# Altium PCB SysUprTestUUDown.PcbDoc (part 1 of 3) (continued)
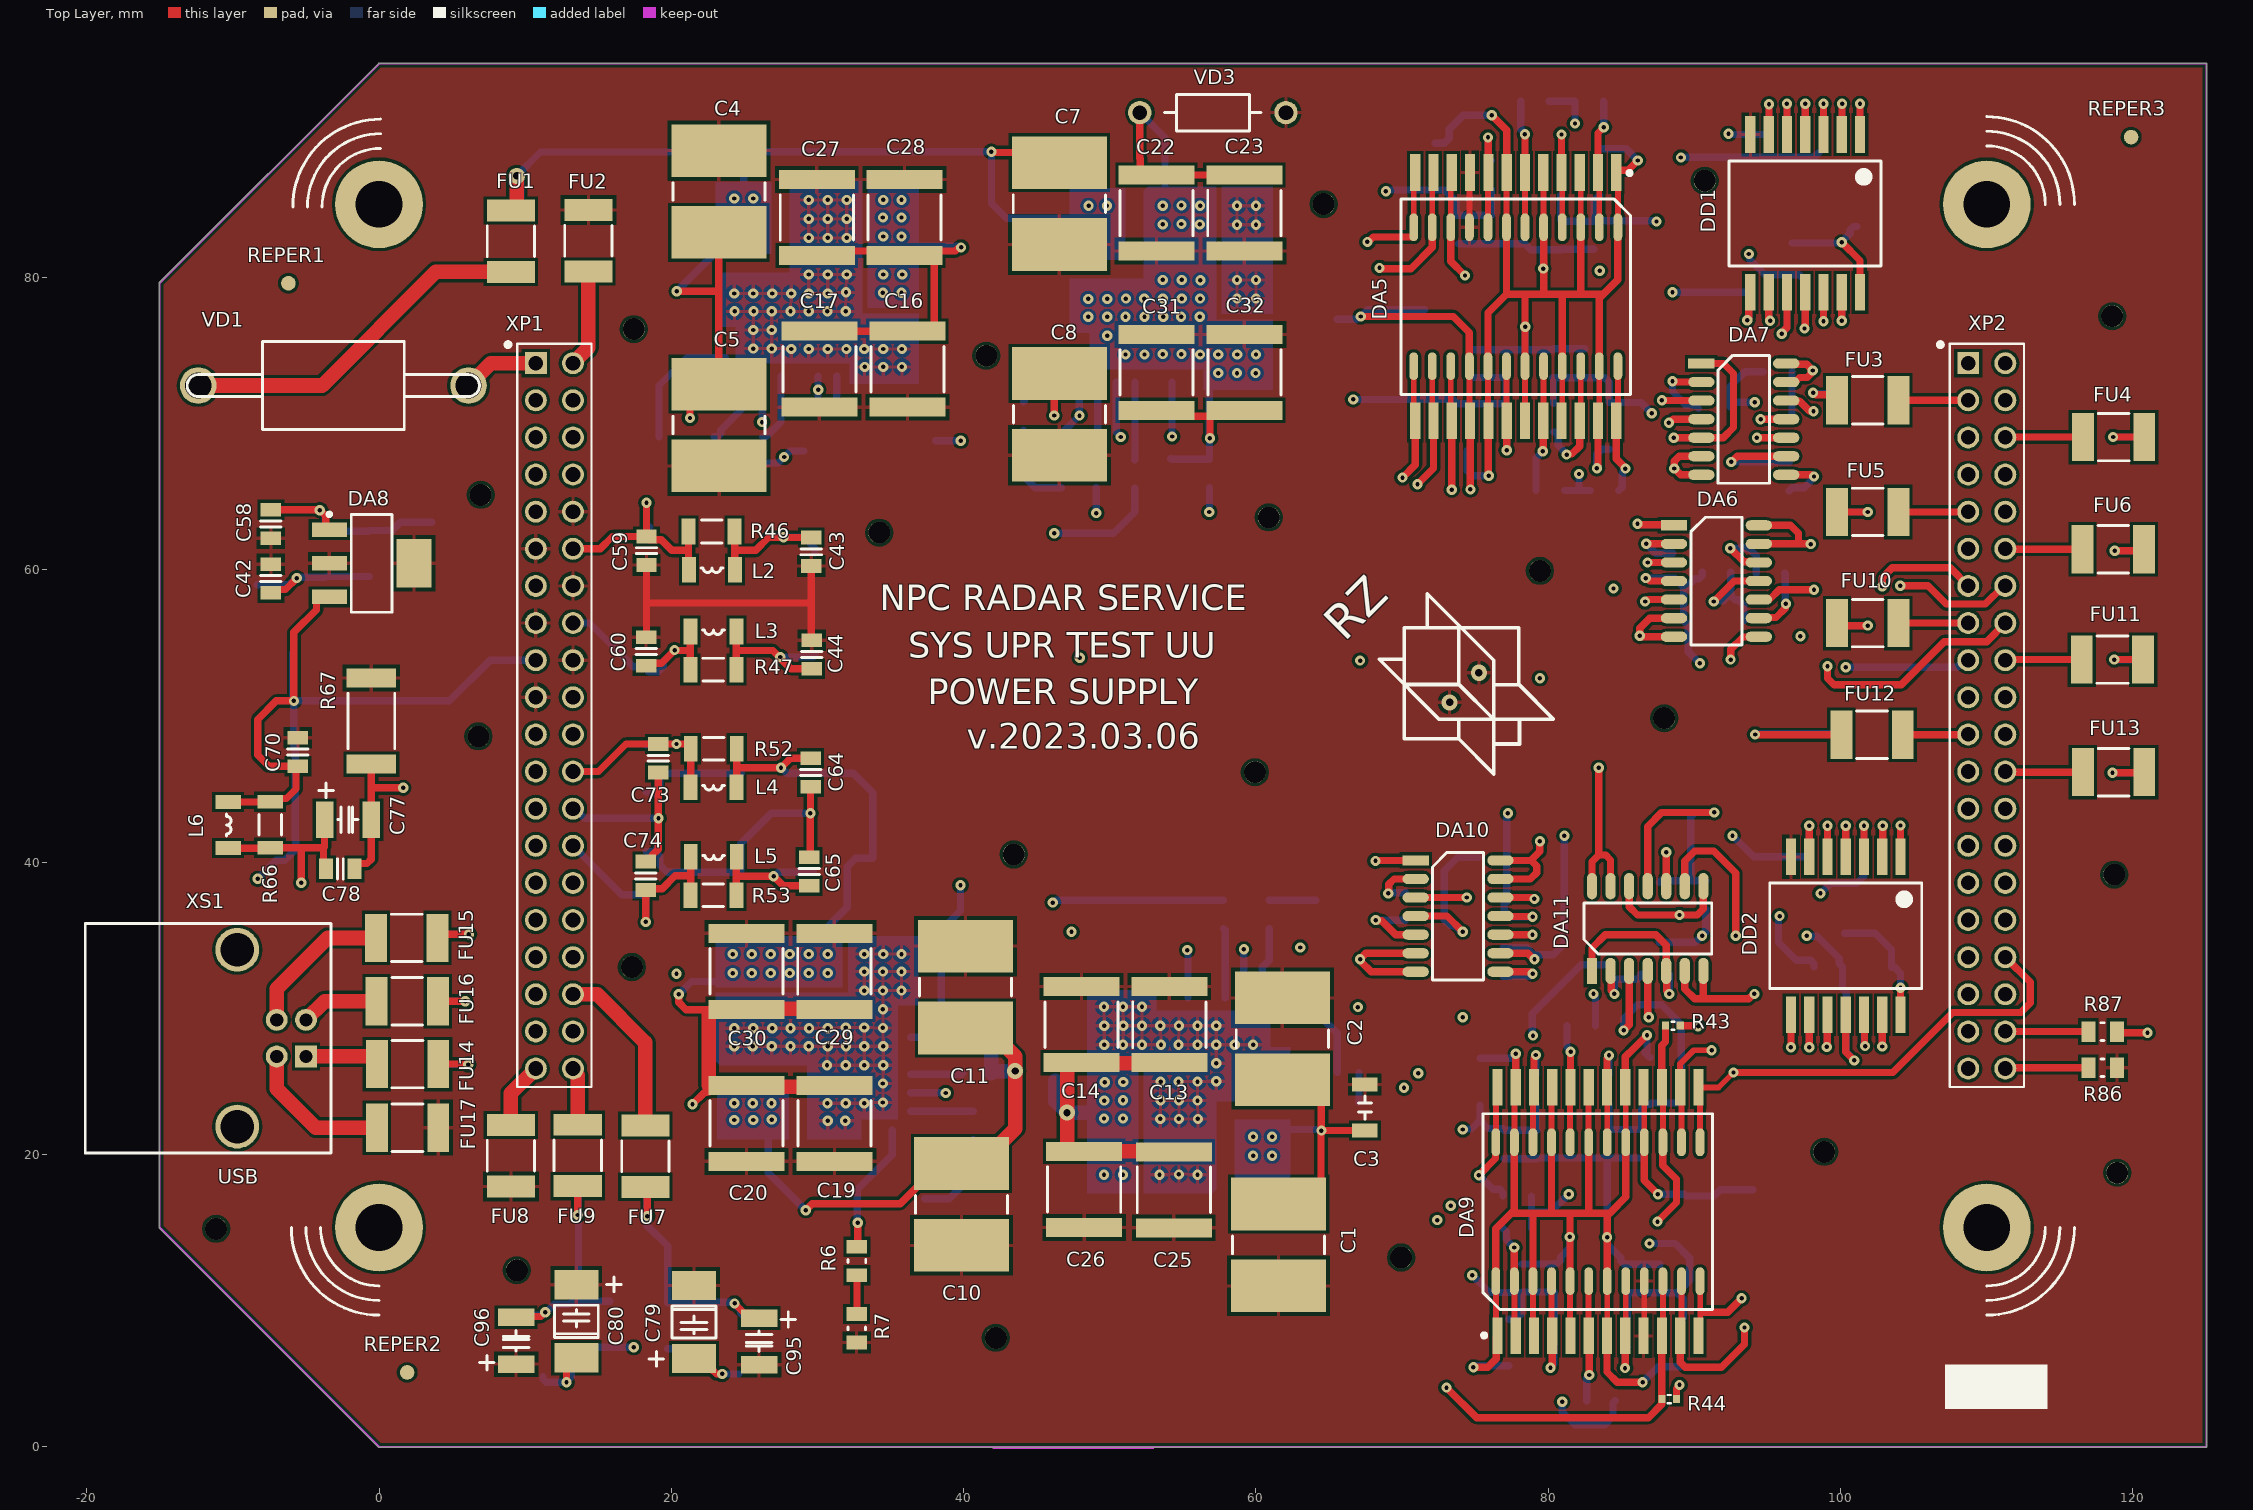
[diagram p0: Top Layer view]
## Components (designator, comment, footprint, x,y, rotation, side; value= is the part's Value field where it differs from the comment)
C1 "Capacitor" "CAP8060M H=5,6 мм" 61.55,13.8 r270 top value=4,7мк
C2 "Capacitor" "CAP8060M H=5,6 мм" 61.8,27.9 r90 top value=4,7мк
C3 "Capacitor" Cap1206 67.45,23.2 r180 top value="0,22 мк"
C4 "Capacitor" "CAP8060M H=5,6 мм" 23.25,85.875 r90 top value=4,7мк
C5 "Capacitor" "CAP8060M H=5,6 мм" 23.271,69.9 r270 top value=4,7мк
C6 "Capacitor" Cap1206 30.625,68.125 r270 bottom value="0,22 мк"
C7 "Capacitor" "CAP8060M H=5,6 мм" 46.541,85.05 r270 top value=4,7мк
C8 "Capacitor" "CAP8060M H=5,6 мм" 46.546,70.625 r270 top value=4,7мк
C9 "Capacitor" Cap1206 40.375,31.121 r0 bottom value="0,22 мк"
C10 "Capacitor" "CAP8060M H=5,6 мм" 39.85,16.571 r270 top value=4,7мк
C11 "Capacitor" "CAP8060M H=5,6 мм" 40.125,31.446 r90 top value=4,7мк
C12 "Capacitor" Cap1206 44.4,82.475 r180 bottom value="0,22 мк"
C13 "Capacitor" "CAP2220 H=5.5мм" 54.066,28.873 r90 top value="100 мк"
C14 "Capacitor" "CAP2220 H=5.5мм" 48.062,28.873 r90 top value="100 мк"
C15 "Capacitor" Cap0805 46.275,26 r0 bottom value=0,22мк
C16 "Capacitor" "CAP2220 H=5.5мм" 36.15,73.716 r270 top value="100 мк"
C17 "Capacitor" "CAP2220 H=5.5мм" 30.125,73.716 r270 top value="100 мк"
C18 "Capacitor" Cap0805 37.125,68.825 r90 bottom value=0,22мк
C19 "Capacitor" "CAP2220 H=5.5мм" 31.154,22.121 r270 top value="100 мк"
C20 "Capacitor" "CAP2220 H=5.5мм" 25.15,22.121 r270 top value="100 мк"
C21 "Capacitor" Cap0805 33.775,39.325 r180 bottom value=0,22мк
C22 "Capacitor" "CAP2220 H=5.5мм" 53.196,84.4 r270 top value="100 мк"
C23 "Capacitor" "CAP2220 H=5.5мм" 59.2,84.4 r270 top value="100 мк"
C24 "Capacitor" Cap0805 54.175,66.625 r180 bottom value=0,22мк
C25 "Capacitor" "CAP2220 H=5.5мм" 54.375,17.575 r90 top value="100 мк"
C26 "Capacitor" "CAP2220 H=5.5мм" 48.25,17.6 r90 top value="100 мк"
C27 "Capacitor" "CAP2220 H=5.5мм" 29.95,84.1 r270 top value="100 мк"
C28 "Capacitor" "CAP2220 H=5.5мм" 35.954,84.1 r270 top value="100 мк"
C29 "Capacitor" "CAP2220 H=5.5мм" 31.15,32.521 r270 top value="100 мк"
C30 "Capacitor" "CAP2220 H=5.5мм" 25.146,32.521 r270 top value="100 мк"
C31 "Capacitor" "CAP2220 H=5.5мм" 53.2,73.5 r270 top value="100 мк"
C32 "Capacitor" "CAP2220 H=5.5мм" 59.204,73.5 r270 top value="100 мк"
C33 "Capacitor" Cap0805 101.1,84.45 r180 bottom value=0,1мкФ
C34 "Capacitor" CAP1812 96.8,84.075 r270 bottom value=4,7мк
C35 "PolCap" CapCaseC -8.35,61.463 r180 bottom value=22мк
C36 "PolCap" CapCaseC 27.325,61.15 r270 bottom value=22мк
C37 "PolCap" CapCaseC 27.35,54.15 r90 bottom value=22мк
C38 "Capacitor" Cap0805 82.504,74.15 r0 bottom value=0,1мкФ
C39 "Capacitor" Cap0805 83.129,82.891 r180 bottom value=0,1мкФ
C40 "Capacitor" Cap0805 74.625,74.125 r0 bottom value=0,1мкФ
C41 "Capacitor" Cap0805 73.875,83.275 r180 bottom value=0,1мкФ
C42 "Capacitor" Cap0805 -7.4,59.4 r0 top value=0,1мкФ
C43 "Capacitor" Cap0805 29.575,61.225 r180 top value=0,1мкФ
C44 "Capacitor" Cap0805 29.6,54.2 r180 top value=0,1мкФ
C45 "PolCap" CapCaseB 84.179,69.846 r0 bottom value=4,7мк
C46 "PolCap" CapCaseB 83.524,87.196 r180 bottom value=4,7мк
C47 "PolCap" CapCaseB 74.456,69.75 r0 bottom value=4,7мк
C48 "PolCap" CapCaseB 72.271,87.579 r180 bottom value=4,7мк
C49 "Capacitor" Cap0805 91.5,59.825 r90 bottom value=0,1мкФ
C50 "Capacitor" CAP1812 91.325,56.5 r180 bottom value=4,7мк
C51 "Capacitor" Cap0805 95.7,73.534 r90 bottom value=0,1мкФ
C52 "Capacitor" CAP1812 94.479,70.329 r180 bottom value=4,7мк
C53 "PolCap" CapCaseB 65.1,78.75 r180 bottom value=4,7мк
C54 "PolCap" CapCaseB 3.6,61.638 r0 bottom value=4,7мк
C55 "PolCap" CapCaseB 18.525,61.3 r0 bottom value=4,7мк
C56 "PolCap" CapCaseB 18.45,54.6 r0 bottom value=4,7мк
C57 "Capacitor" Cap0805 71.55,78.775 r0 bottom value=0,1мкФ
C58 "Capacitor" Cap0805 -7.4,63.125 r180 top value=0,1мкФ
C59 "Capacitor" Cap0805 18.3,61.3 r180 top value=0,1мкФ
C60 "Capacitor" Cap0805 18.275,54.4 r180 top value=0,1мкФ
C61 "PolCap" CapCaseC 27.275,46.075 r270 bottom value=22мк
C62 "PolCap" CapCaseC 27.225,39.3 r90 bottom value=22мк
C63 "PolCap" CapCaseD -2.225,47.879 r90 bottom value=330мк
C64 "Capacitor" Cap0805 29.525,46.125 r180 top value=0,1мкФ
C65 "Capacitor" Cap0805 29.425,39.35 r180 top value=0,1мкФ
C66 "PolCap" CapCaseD -2.4,54.309 r90 bottom value=330мк
C67 "PolCap" CapCaseB 94,15.975 r0 bottom value=4,7мк
C68 "PolCap" CapCaseD -2.2,41.45 r90 bottom value=330мк
C69 "Capacitor" Cap0805 89.425,16.175 r180 bottom value=0,1мкФ
C70 "Capacitor" Cap0805 -5.55,47.525 r0 top value=0,1мкФ
C71 "PolCap" CapCaseB 18.275,46.4 r0 bottom value=4,7мк
C72 "PolCap" CapCaseB 18.275,39.125 r0 bottom value=4,7мк
C73 "Capacitor" Cap0805 19.1,47.1 r180 top value=0,1мкФ
C74 "Capacitor" Cap0805 18.25,39.05 r180 top value=0,1мкФ
C75 "Capacitor" Cap0805 100.271,36.1 r180 bottom value=0,1мкФ
C76 "Capacitor" CAP1812 103.475,34.85 r270 bottom value=4,7мк
C77 "PolCap" CapCaseB -2.125,42.894 r270 top value=4,7мк
C78 "Capacitor" Cap0805 -2.65,39.525 r270 top value=0,1мкФ
C79 "PolCap" CapCaseC 21.55,8.525 r0 top value=22мк
C80 "PolCap" CapCaseC 13.5,8.575 r180 top value=22мк
C81 "Capacitor" Cap0805 76.996,20.675 r180 bottom value=0,1мкФ
C82 "Capacitor" Cap0805 78.171,11.525 r0 bottom value=0,1мкФ
C83 "Capacitor" Cap0805 84.175,20.721 r180 bottom value=0,1мкФ
C84 "Capacitor" Cap0805 87.625,11.5 r0 bottom value=0,1мкФ
C85 "Capacitor" Cap0805 25.6,4.975 r90 bottom value=0,1мкФ
C86 "Capacitor" Cap0805 10.25,4.775 r90 bottom value=0,1мкФ
C87 "PolCap" CapCaseB 75.321,24.979 r180 bottom value=4,7мк
C88 "PolCap" CapCaseB 77.3,7.125 r0 bottom value=4,7мк
C89 "PolCap" CapCaseB 86.975,25.029 r180 bottom value=4,7мк
C90 "PolCap" CapCaseB 89.229,7.196 r0 bottom value=4,7мк
C91 "Capacitor" Cap0805 76.175,40.309 r90 bottom value=0,1мкФ
C92 "Capacitor" CAP1812 74.929,37.104 r180 bottom value=4,7мк
C93 "Capacitor" Cap0805 90.775,37.75 r180 bottom value=0,1мкФ
C94 "Capacitor" CAP1812 87.571,36.55 r270 bottom value=4,7мк
C95 "PolCap" CapCaseB 26,7.2 r180 top value=4,7мк
C96 "PolCap" CapCaseB 9.375,7.25 r0 top value=4,7мк
C97 "Capacitor" Cap0805 25.175,7.95 r0 bottom value=0,1мкФ
C98 "Capacitor" Cap0805 9.9,8.025 r180 bottom value=0,1мкФ
DA1 "LTM8027MPV#PBF" LTM8027_LGA-121 55.354,24.35 r270 bottom
DA2 "LTM8027MPV#PBF" LTM8027_LGA-121 30.04,79.6 r90 bottom
DA3 "LTM8027MPV#PBF" LTM8027_LGA-121 30.025,28.021 r180 bottom
DA4 "LTM8027MPV#PBF" LTM8027_LGA-121 54.26,79.19 r90 bottom
DA5 "1315PT24" 4118.24-2_SOIC24#1 77.775,78.675 r270 top
DA6 "AD824" SOIC14 91.5,59.225 r0 top
DA7 "AD824" SOIC14 93.375,70.3 r0 top
DA8 "LM2937IMP-3.3" SOT223 -0.5,60.438 r0 top
DA9 "1315PT24" 4118.24-2_SOIC24#2 83.395,16.075 r90 top
DA10 "AD824" SOIC14 73.825,36.3 r0 top
DA11 "AD824" SOIC14 86.8,35.446 r90 top
DD1 "1533LA3" 401.14-5 97.575,84.375 r270 top
DD2 "1533LA3" 401.14-5 100.35,34.95 r270 top
FU1 "Predoxranitel" MF-MSMF_1 9.025,82.475 r270 top
FU2 "Predoxranitel" MF-MSMF_1 14.325,82.5 r90 top
FU3 "Predoxranitel" MF-MSMF_1 101.85,71.6 r0 top
FU4 "Predoxranitel" MF-MSMF_1 118.675,69.075 r180 top
FU5 "Predoxranitel" MF-MSMF_1 101.85,63.95 r0 top
FU6 "Predoxranitel" MF-MSMF_1 118.65,61.4 r180 top
FU7 "Predoxranitel" MF-MSMF_1 18.225,19.875 r90 top
FU8 "Predoxranitel" MF-MSMF_1 9.025,19.9 r90 top
FU9 "Predoxranitel" MF-MSMF_1 13.596,19.925 r90 top
FU10 "Predoxranitel" MF-MSMF_1 101.85,56.35 r0 top
FU11 "Predoxranitel" MF-MSMF_1 118.6,53.85 r180 top
FU12 "Predoxranitel" MF-MSMF_1 102.15,48.7 r0 top
FU13 "Predoxranitel" MF-MSMF_1 118.675,46.15 r180 top
FU14 "Predoxranitel" MF-MSMF_1 1.95,26.175 r180 top
FU15 "Predoxranitel" MF-MSMF_1 1.9,34.804 r0 top
FU16 "Predoxranitel" MF-MSMF_1 1.925,30.479 r0 top
FU17 "Predoxranitel" MF-MSMF_1 1.95,21.825 r180 top
L1 "Ferrit" Ind1206 -3.7,61.063 r0 bottom value=600R/100MГц
L2 "Ferrit" Ind1206 22.779,60.009 r270 top value=600R/100MГц
L3 "Ferrit" Ind1206 22.875,55.771 r270 top value=600R/100MГц
L4 "Ferrit" Ind1206 22.875,45.129 r270 top value=600R/100MГц
L5 "Ferrit" Ind1206 22.9,40.354 r270 top value=600R/100MГц
L6 "Ferrit" Ind1206 -10.325,42.525 r0 top value=600R/100MГц
L7 "Ferrit" Ind1206 22.446,8.3 r0 bottom value=600R/100MГц
L8 "Ferrit" Ind1206 13.175,8.375 r0 bottom value=600R/100MГц
R1 "Resistor01" Res0603 66.3,25.6 r90 bottom value=27к
R2 "Resistor0125" Res0805 67.025,22.625 r180 bottom value=4,7к
R3 "Resistor0125" Res0805 57.775,36.416 r180 bottom value=1М
R4 "Resistor0125" Res0805 26.25,68.1 r0 bottom value=1М
R5 "Resistor0125" Res0805 40.925,25.546 r90 bottom value=1М
R6 "Resistor0125" Res0805 32.7,12.7 r180 top value=68к
R7 "Resistor0125" Res0805 32.675,8.1 r0 top value=6,8к
R8 "Resistor0125" Res0805 51.7,66.55 r0 bottom value=1М
R9 "Resistor0125" Res0805 44.1,70.525 r0 bottom value=82к
R10 "Resistor0125" Res0805 46.675,66.575 r0 bottom value=10к
R11 "Resistor0125" Res0805 19.15,68.125 r180 bottom value=33к
R12 "Resistor0125" Res0805 22.925,68.125 r0 bottom value=75к
R13 "Resistor0125" Res0805 60.9,36.416 r0 bottom value=33к
R14 "Resistor0125" Res0805 64.1,36.4 r0 bottom value=3,6к
R15 "Resistor0125" Res0805 40.65,21.971 r180 bottom value=150к
R16 "Resistor0125" Res0805 36.35,16.971 r270 bottom value=12к
R17 "Resistor0125" Res0805 49.075,66.575 r180 bottom value=150к
R18 "Resistor0125" Res0805 56.825,66.575 r180 bottom value=12к
R19 "Resistor0062" Res0402 101.325,90.275 r0 bottom value=10к
R20 "Resistor0062" Res0402 97.575,90.275 r0 bottom value=10к
R21 "Resistor0062" Res0402 95.075,78.475 r180 bottom value=10к
R22 "Resistor0062" Res0402 98.825,78.475 r180 bottom value=10к
R23 "Resistor0125" Res0805 83.854,65.421 r270 bottom value=5,6к
R24 "Resistor0062" Res0402 100.1,90.275 r0 bottom value=10к
R25 "Resistor0125" Res0805 82.8,92.05 r270 bottom value=5,6к
R26 "Resistor0062" Res0402 96.325,90.3 r0 bottom value=10к
R27 "Resistor0125" Res0805 80.129,65.416 r90 bottom value=5,6к
R28 "Resistor0062" Res0402 96.325,78.475 r180 bottom value=10к
R29 "Resistor0125" Res0805 79.096,92.05 r90 bottom value=5,6к
R30 "Resistor0062" Res0402 100.075,78.5 r180 bottom value=10к
R31 "Resistor0125" Res0805 80.3,74.1 r180 bottom value=2к
R32 "Resistor0125" Res0805 80.925,82.866 r0 bottom value=2к
R33 "Resistor0125" Res0805 77.1,74.079 r180 bottom value=2к
R34 "Resistor0125" Res0805 76.1,83.275 r0 bottom value=2к
R35 "Resistor0125" Res0805 80.35,70.396 r180 bottom value=2к
R36 "Resistor0125" Res0805 80.829,86.591 r0 bottom value=2к
R37 "Resistor0125" Res0805 77.15,70.375 r180 bottom value=2к
R38 "Resistor0125" Res0805 76.1,87.025 r0 bottom value=2к
R39 "Resistor0062" Res0402 98.825,90.275 r180 bottom value=1к
R40 "Resistor0062" Res0402 95.1,90.275 r180 bottom value=1к
R41 "Resistor0062" Res0402 93.75,78.475 r0 bottom value=1к
R42 "Resistor0062" Res0402 97.575,78.475 r0 bottom value=1к
R43 "Resistor0062" Res0402 88.525,28.8 r90 top value=10к
R44 "Resistor0062" Res0402 88.275,3.25 r90 top value=10к
R45 "Resistor025" Res1206 -0.675,61.113 r0 bottom value=100
R46 "Resistor025" Res1206 22.754,62.613 r270 top value=100
R47 "Resistor025" Res1206 22.875,53.166 r270 top value=100
R48 "Resistor0125" Res0805 88.525,62.1 r0 bottom value=20к
R49 "Resistor0125" Res0805 95.204,59.75 r90 bottom value=20к
R50 "Resistor0125" Res0805 90.275,70.05 r180 bottom value=20к
R51 "Resistor0125" Res0805 96.475,66.375 r180 bottom value=20к
R52 "Resistor025" Res1206 22.9,47.75 r270 top value=100
R53 "Resistor025" Res1206 22.875,37.729 r270 top value=100
R54 "Resistor0062" Res0402 104.1,40.85 r0 bottom value=10к
R55 "Resistor0062" Res0402 100.35,40.85 r0 bottom value=10к
R56 "Resistor0062" Res0402 97.85,29.05 r180 bottom value=10к
R57 "Resistor0062" Res0402 101.6,29.05 r180 bottom value=10к
R58 "Resistor0125" Res0805 77.875,17.154 r90 bottom value=5,6к
R59 "Resistor0062" Res0402 102.871,40.85 r0 bottom value=10к
R60 "Resistor0125" Res0805 77.875,14.95 r90 bottom value=5,6к
R61 "Resistor0062" Res0402 99.1,40.85 r0 bottom value=10к
R62 "Resistor0125" Res0805 82.25,28.8 r90 bottom value=5,6к
R63 "Resistor0062" Res0402 99.1,29.05 r180 bottom value=10к
R64 "Resistor0125" Res0805 83.6,3.15 r90 bottom value=5,6к
R65 "Resistor0062" Res0402 102.85,29.05 r180 bottom value=10к
R66 "Resistor025" Res1206 -7.45,42.55 r0 top value=100
R67 "Resistor1" Res2512 -0.525,49.649 r0 top value=0,15
R68 "Resistor0125" Res0805 79.2,20.675 r0 bottom value=2к
R69 "Resistor0125" Res0805 80.4,11.554 r180 bottom value=2к
R70 "Resistor0125" Res0805 86.379,20.725 r0 bottom value=2к
R71 "Resistor0125" Res0805 85.4,11.504 r180 bottom value=2к
R72 "Resistor0125" Res0805 79.15,24.45 r0 bottom value=2к
R73 "Resistor0125" Res0805 80.375,7.85 r180 bottom value=2к
R74 "Resistor0125" Res0805 84.15,24.425 r0 bottom value=2к
R75 "Resistor0125" Res0805 85.4,7.8 r180 bottom value=2к
R76 "Resistor0062" Res0402 101.6,40.85 r180 bottom value=1к
R77 "Resistor0062" Res0402 97.85,40.85 r180 bottom value=1к
R78 "Resistor0062" Res0402 84.225,32.475 r180 bottom value=1к
R79 "Resistor0062" Res0402 100.375,29.05 r0 bottom value=1к
R80 "Resistor025" Res1206 19.75,8.275 r0 bottom value=100
R81 "Resistor025" Res1206 15.779,8.375 r0 bottom value=100
R82 "Resistor0125" Res0805 70.225,36.975 r180 bottom value=20к
R83 "Resistor0125" Res0805 76.9,33.15 r180 bottom value=20к
R84 "Resistor0125" Res0805 87.3,32.325 r270 bottom value=20к
R85 "Resistor0125" Res0805 99.15,32.825 r90 bottom value=20к
R86 "Resistor0125" Res0805 117.925,25.925 r270 top value=100к
R87 "Resistor0125" Res0805 117.925,28.4 r270 top value=1,5к
REPER1 "Comment" REPER1 -6.2,79.6 r0 top
REPER2 "Comment" REPER1 1.925,5.075 r0 top
REPER3 "Comment" REPER1 119.875,89.6 r0 top
REPER4 "Comment" REPER1 -6.2,79.6 r180 bottom
REPER5 "Comment" REPER1 1.925,5.075 r180 bottom
REPER6 "Comment" REPER1 119.875,89.6 r180 bottom
VD1 "Diod" DO-201AD -3.125,72.6 r180 top
VD2 "DiodZachitnuy" "SMB_(DO-214AA) KA1-KA2" 11.4,84.95 r180 bottom
VD3 "DiodShottky" "KD-4A 3D713A;3D713B" 52.05,91.275 r0 top
VD4 "DiodZachitnuy" "SMB_(DO-214AA) KA1-KA2" 101.825,71.721 r180 bottom
VD5 "DiodZachitnuy" "SMB_(DO-214AA) KA1-KA2" 118.65,69.075 r0 bottom
VD6 "DiodZachitnuy" "SMB_(DO-214AA) KA1-KA2" 101.85,64.025 r180 bottom
VD7 "DiodZachitnuy" "SMB_(DO-214AA) KA1-KA2" 118.725,61.3 r0 bottom
VD8 "DiodZachitnuy" "SMB_(DO-214AA) KA1-KA2" 18.325,20.075 r270 bottom value=SMBJ5.0CA
VD9 "DiodZachitnuy" "SMB_(DO-214AA) KA1-KA2" 13.646,20.075 r90 bottom value=SMBJ5.0CA
VD10 "DiodZachitnuy" "SMB_(DO-214AA) KA1-KA2" 101.8,56.175 r180 bottom
VD11 "DiodZachitnuy" "SMB_(DO-214AA) KA1-KA2" 118.625,53.825 r0 bottom
VD12 "DiodZachitnuy" "SMB_(DO-214AA) KA1-KA2" 102.1,48.775 r180 bottom
VD13 "DiodZachitnuy" "SMB_(DO-214AA) KA1-KA2" 118.6,46.1 r0 bottom
VD14 "DiodZachitnuy" "SMB_(DO-214AA) KA1-KA2" 1.95,25.841 r0 bottom value=SMBJ5.0CA
VD15 "DiodZachitnuy" "SMB_(DO-214AA) KA1-KA2" 1.95,30.446 r0 bottom value=SMBJ5.0CA
VD16 "DiodZachitnuy" "SMB_(DO-214AA) KA1-KA2" 1.875,35.05 r0 bottom value=SMBJ5.0CA
XP1 "ConnectorP40" PLD-40 12,50 r0 top locked value=40
XP2 "ConnectorP40" PLD-40 110,50 r0 top locked value=40
XS1 "ConnectorS4_USB_B" USB_B -7,29.2 r270 top

## Footprints (in the part's own frame and the unit in brackets; to place one, negate y for a bottom-side part, rotate by r counter-clockwise, add the part's x,y. Pads: shape width x height; smd on the part's side, far side on the other; paste and mask are expansions set on the pad)
401.14-5 [mm]
  rect 2.5x0.7 smd mask+0.05: 1(-5.4,3.75) 2(-5.4,2.5) 3(-5.4,1.25) 4(-5.4,0) 5(-5.4,-1.25) 6(-5.4,-2.5) 7(-5.4,-3.75) 8(5.4,-3.75) 9(5.4,-2.5) 10(5.4,-1.25) 11(5.4,0) 12(5.4,1.25) 13(5.4,2.5) 14(5.4,3.75)
  silkscreen extent -3.6,-5.2 3.6,5.2, body extent -6.65,-4.98 6.65,5.02, height 2.65
4118.24-2_SOIC24#1 [mm]
  rect 2.5x0.7 smd mask+0.05: 1(-8.5,6.875) 2(-8.5,5.625) 3(-8.5,4.375) 4(-8.5,3.125) 5(-8.5,1.875) 6(-8.5,0.625) 7(-8.5,-0.625) 8(-8.5,-1.875) 9(-8.5,-3.125) 10(-8.5,-4.375) 11(-8.5,-5.625) 12(-8.5,-6.875) 13(8.5,-6.875) 14(8.5,-5.625) 15(8.5,-4.375) 16(8.5,-3.125) 17(8.5,-1.875) 18(8.5,-0.625) 19(8.5,0.625) 20(8.5,1.875) 21(8.5,3.125) 22(8.5,4.375) 23(8.5,5.625) 24(8.5,6.875)
  oval 1.9x0.6 smd: 1(-4.75,6.985) 2(-4.75,5.715) 3(-4.75,4.445) 4(-4.75,3.175) 5(-4.75,1.905) 6(-4.75,0.635) 7(-4.75,-0.635) 8(-4.75,-1.905) 9(-4.75,-3.175) 10(-4.75,-4.445) 11(-4.75,-5.715) 12(-4.75,-6.985) 13(4.75,-6.985) 14(4.75,-5.715) 15(4.75,-4.445) 16(4.75,-3.175) 17(4.75,-1.905) 18(4.75,-0.635) 19(4.75,0.635) 20(4.75,1.905) 21(4.75,3.175) 22(4.75,4.445) 23(4.75,5.715) 24(4.75,6.985)
  Top Layer lines w0.4: 8.49,-6.985 4.75,-6.985 ; -4.75,-6.985 -8.49,-6.985 ; 8.49,-5.715 4.75,-5.715 ; -4.75,-5.715 -8.49,-5.715 ; 8.49,-4.445 4.75,-4.445 ; -4.75,-4.445 -8.49,-4.445 ; 8.49,-3.175 4.75,-3.175 ; -4.75,-3.175 -8.49,-3.175 ; 8.49,-1.905 4.75,-1.905 ; -4.75,-1.905 -8.49,-1.905 ; 8.49,-0.635 4.75,-0.635 ; -4.75,-0.635 -8.49,-0.635 ; 8.49,0.635 4.75,0.635 ; -4.75,0.635 -8.49,0.635 ; 8.49,1.905 4.75,1.905 ; -4.75,1.905 -8.49,1.905 ; 8.49,3.175 4.75,3.175 ; -4.75,3.175 -8.49,3.175 ; 8.49,4.445 4.75,4.445 ; -4.75,4.445 -8.49,4.445 ; 8.49,5.715 4.75,5.715 ; -4.75,5.715 -8.49,5.715 ; 8.49,6.985 4.75,6.985 ; -4.75,6.985 -8.49,6.985
  silkscreen extent -8.59,-7.85 6.7,7.91, body extent -9.75,-8.08 9.75,7.72, height 4.2
4118.24-2_SOIC24#2 [mm]
  rect 2.5x0.7 smd mask+0.05: 1(-8.5,6.875) 2(-8.5,5.625) 3(-8.5,4.375) 4(-8.5,3.125) 5(-8.5,1.875) 6(-8.5,0.625) 7(-8.5,-0.625) 8(-8.5,-1.875) 9(-8.5,-3.125) 10(-8.5,-4.375) 11(-8.5,-5.625) 12(-8.5,-6.875) 13(8.5,-6.875) 14(8.5,-5.625) 15(8.5,-4.375) 16(8.5,-3.125) 17(8.5,-1.875) 18(8.5,-0.625) 19(8.5,0.625) 20(8.5,1.875) 21(8.5,3.125) 22(8.5,4.375) 23(8.5,5.625) 24(8.5,6.875)
  oval 1.9x0.6 smd: 1(-4.75,6.985) 2(-4.75,5.715) 3(-4.75,4.445) 4(-4.75,3.175) 5(-4.75,1.905) 6(-4.75,0.635) 7(-4.75,-0.635) 8(-4.75,-1.905) 9(-4.75,-3.175) 10(-4.75,-4.445) 11(-4.75,-5.715) 12(-4.75,-6.985) 13(4.75,-6.985) 14(4.75,-5.715) 15(4.75,-4.445) 16(4.75,-3.175) 17(4.75,-1.905) 18(4.75,-0.635) 19(4.75,0.635) 20(4.75,1.905) 21(4.75,3.175) 22(4.75,4.445) 23(4.75,5.715) 24(4.75,6.985)
  Top Layer lines w0.4: -8.49,6.985 -4.75,6.985 ; 4.75,6.985 8.49,6.985 ; -8.49,5.715 -4.75,5.715 ; 4.75,5.715 8.49,5.715 ; -8.49,4.445 -4.75,4.445 ; 4.75,4.445 8.49,4.445 ; -8.49,3.175 -4.75,3.175 ; 4.75,3.175 8.49,3.175 ; -8.49,1.905 -4.75,1.905 ; 4.75,1.905 8.49,1.905 ; -8.49,0.635 -4.75,0.635 ; 4.75,0.635 8.49,0.635 ; -8.49,-0.635 -4.75,-0.635 ; 4.75,-0.635 8.49,-0.635 ; -8.49,-1.905 -4.75,-1.905 ; 4.75,-1.905 8.49,-1.905 ; -8.49,-3.175 -4.75,-3.175 ; 4.75,-3.175 8.49,-3.175 ; -8.49,-4.445 -4.75,-4.445 ; 4.75,-4.445 8.49,-4.445 ; -8.49,-5.715 -4.75,-5.715 ; 4.75,-5.715 8.49,-5.715 ; -8.5,-6.875 -8.37,-7.005 ; -4.75,-6.985 -4.77,-7.005 -6.875,-7.005 ; 4.75,-6.985 8.49,-6.985
  silkscreen extent -8.59,-7.85 6.7,7.91, body extent -9.75,-8.08 9.75,7.72, height 4.2
Cap0805 [mm] "Chip Capacitor, 2-Leads, Body 2,00x1,25mm, IPC Medium Density"
  rect 1.4x0.95 smd: 1(0,0.975) 2(0,-0.975)
  silkscreen extent -0.7,-0.2 0.7,0.2, body extent -0.62,-1 0.63,1, height 0.58
Cap1206 [mm] "Chip Capacitor, 2-Leads, Body 3,20x1,60mm, IPC Medium Density"
  rect 1.75x0.95 smd: 1(0,1.575) 2(0,-1.575)
  silkscreen extent -0.45,-0.8 0.45,0.8, body extent -0.8,-1.6 0.8,1.6, height 0.75
CAP1812 [mm] "Chip Capacitor, 2-Leads, Body 4,50x3,20mm, IPC Medium Density"
  rect 1.3x3.4 smd: 1(-2.05,0) 2(2.05,0)
  silkscreen extent -1,-1.6 1,1.6, body extent -2.25,-1.6 2.25,1.6, height 1.1
"CAP2220 H=5.5мм" [mm] "Chip Capacitor, 2-Leads, Body 5,60x5,00mm, IPC Medium Density"
  rect 1.3x5.2 smd: 1(-2.6,0) 2(2.6,0)
  silkscreen extent -1.55,-2.5 1.55,2.5, body extent -3,-2.5 3,2.5, height 5.5
"CAP8060M H=5,6 мм" [mm] "CAP_8060M"
  rect 3.6x6.5 smd: 1(-2.8,0) 2(2.8,0)
  silkscreen extent -0.6,-3.15 0.6,3.15, body extent -4.25,-3.25 4.25,3.25, height 5.6